# Altium PCB STeaMi-VerB1.PcbDoc (part 2 of 5)
Units mm, origin at the board's own origin, x right, y up, seen from the top; angles counter-clockwise.
Board outline 61.3 x 91.91 mm, 4 copper layers (Top Layer, Mid-Layer 1, Mid-Layer 2, Bottom Layer), stack 1.573 mm thick; 370 components, 209 nets, 1141 pads, 566 vias.
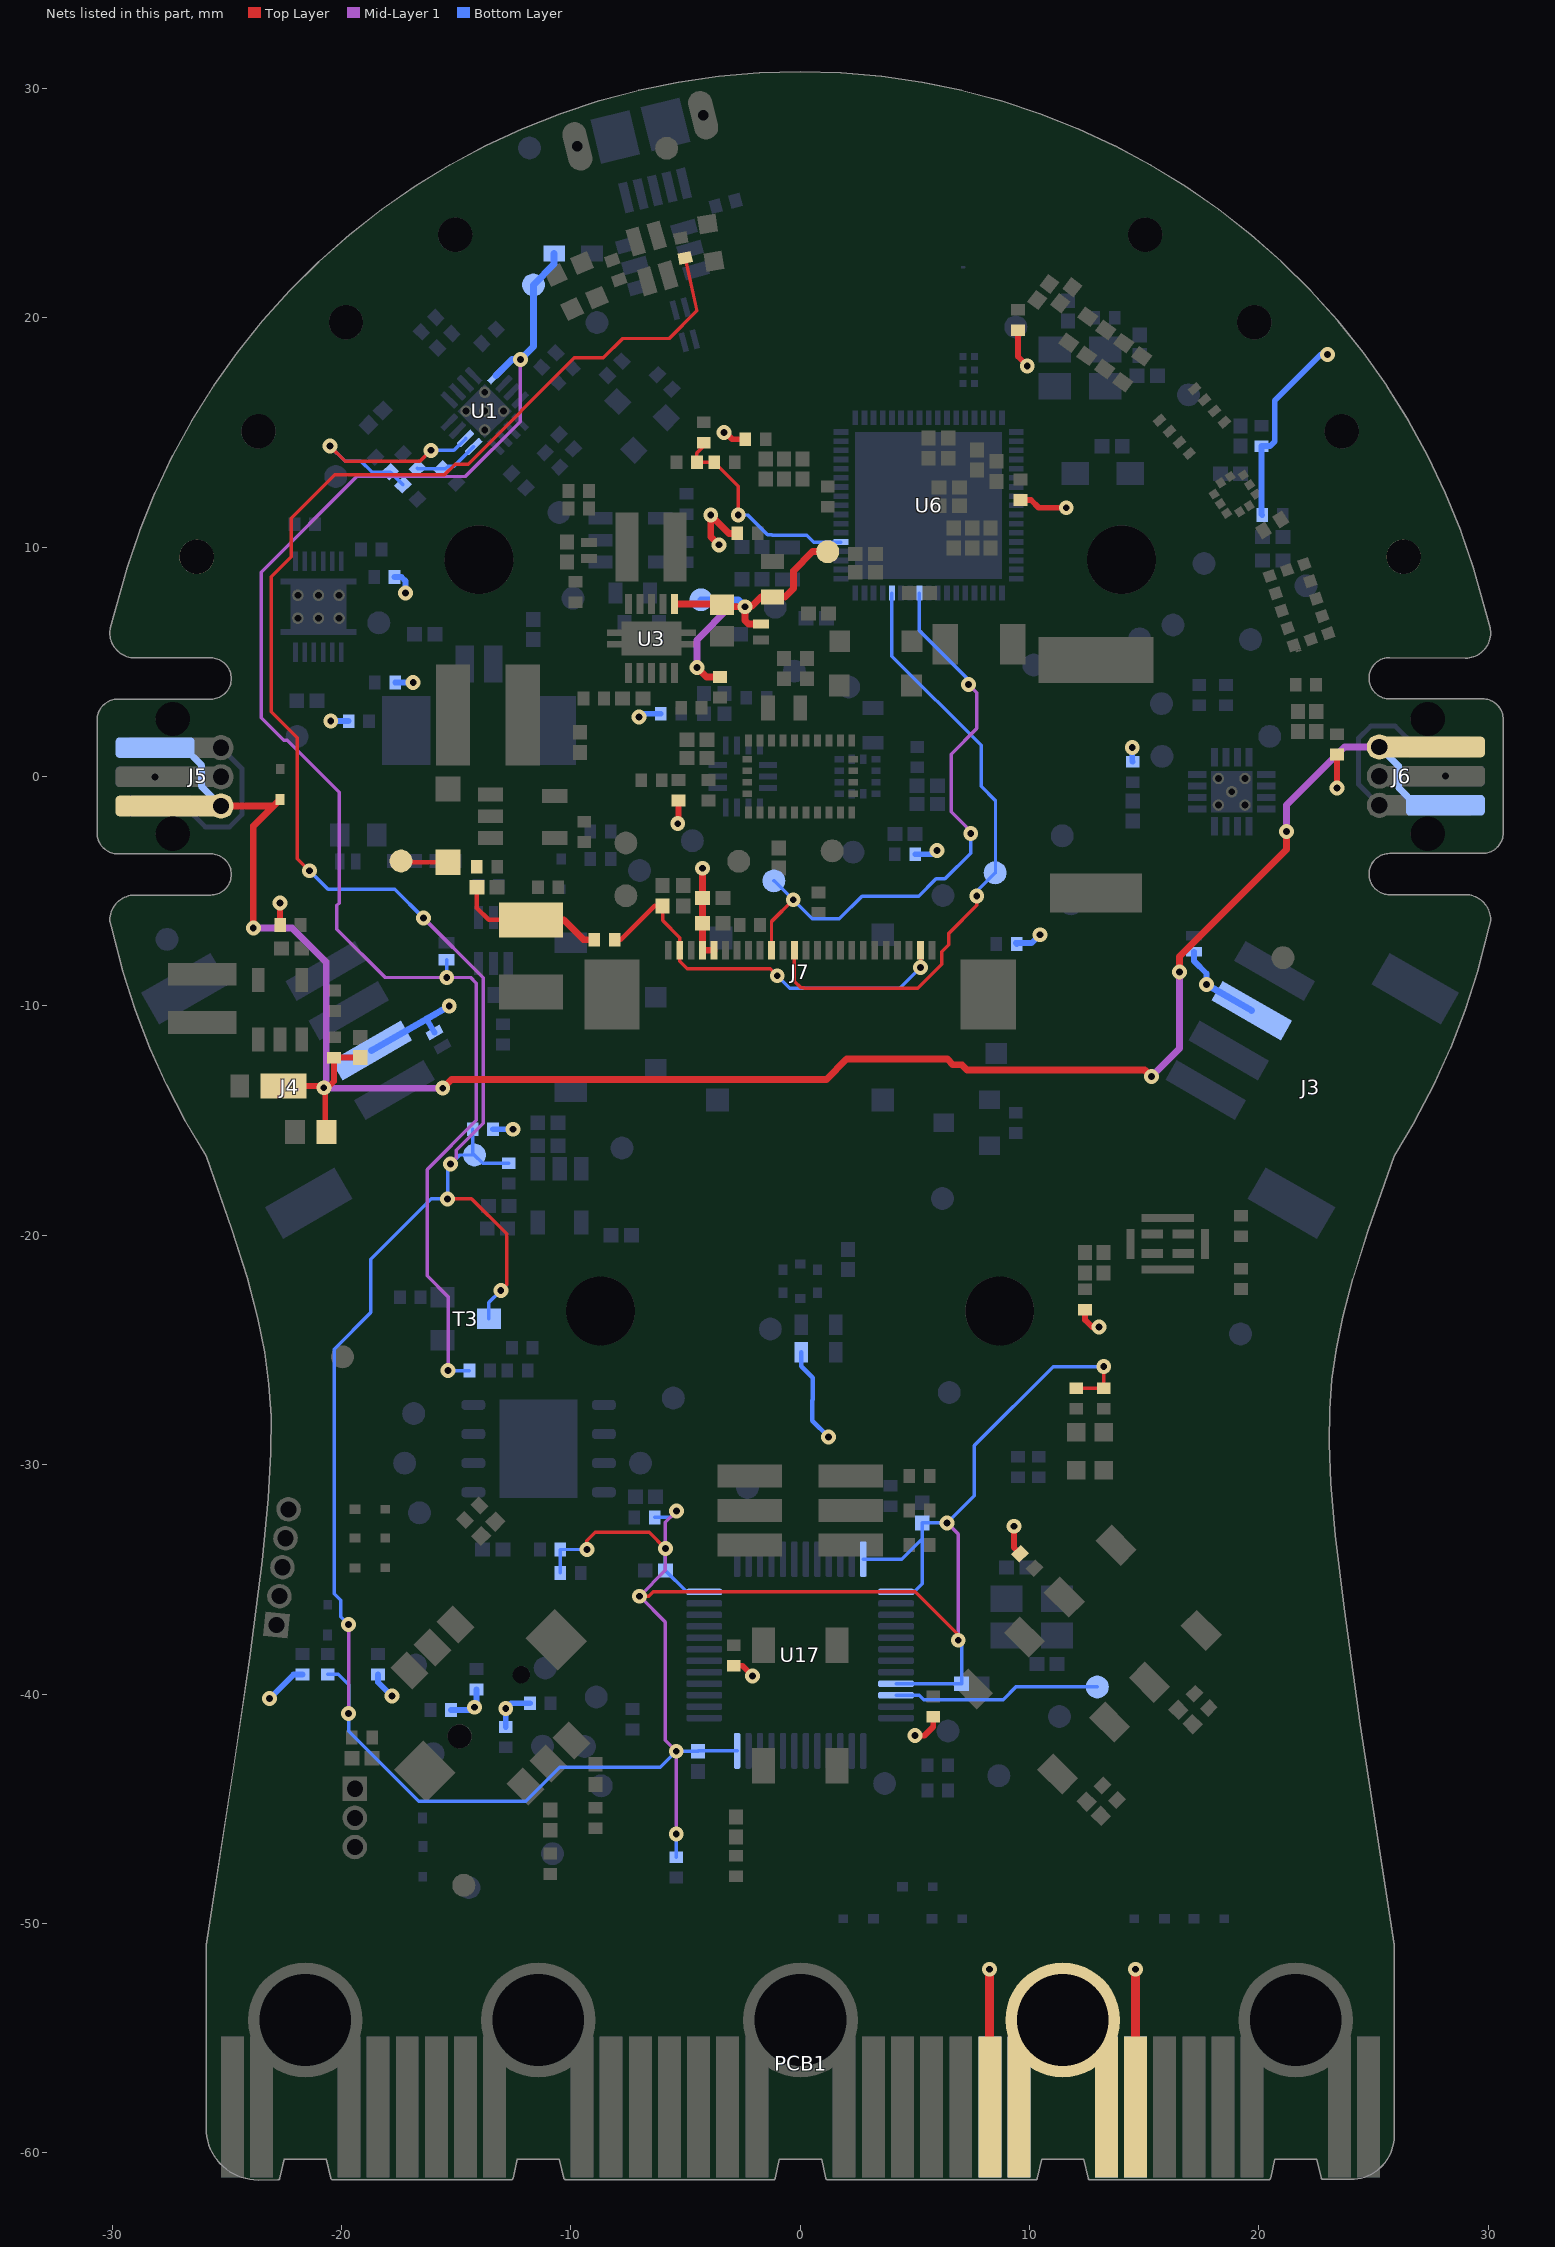
[diagram p4: the nets of this part, all layers, seen from the top]

## Footprints (in the part's own frame and the unit in brackets; to place one, negate y for a bottom-side part, rotate by r counter-clockwise, add the part's x,y. Pads: shape width x height; smd on the part's side, far side on the other; paste and mask are expansions set on the pad) (continued)
LGA-14-2.5X3MM [mm]
  rect 0.8x0.25 smd: 1(-1.35,0.75) 2(-1.35,0.25) 3(-1.35,-0.25) 4(-1.35,-0.75) 8(1.35,-0.75) 9(1.35,-0.25) 10(1.35,0.25) 11(1.35,0.75)
  rect 0.25x0.8 smd: 5(-0.5,-1.1) 6(0,-1.1) 7(0.5,-1.1) 12(0.5,1.1) 13(0,1.1) 14(-0.5,1.1)
  silkscreen extent -1.95,-1.25 1.5,1.45, body extent -1.5,-1.25 1.5,1.25, height 0.9
"LQM21 SERIES" [mm]
  rect 1.2x1 smd: 1(-1.2,0) 2(1.2,0)
  silkscreen extent 0,-0.62 0,0.63, body extent -1,-0.62 1,0.63, height 1.45
MICROBIT_EDGE [mm]
  rect 1x6.147 smd: 1_3V3(8.255,3.074) 1_GND(18.415,3.074) 3V3(9.525,3.074) 3V3(13.335,3.074) 6_3V3(14.605,3.074) 6_GND(24.765,3.074) GND(19.685,3.074) GND(23.495,3.074) P0(-23.495,3.074) P0(-19.685,3.074) P1(-13.335,3.074) P1(-9.525,3.074) P2(-1.905,3.074) P2(1.905,3.074) P3(-24.765,3.074) P4(-18.415,3.074) P5(-17.145,3.074) P6(-15.875,3.074) P7(-14.605,3.074) P8(-8.255,3.074) P9(-6.985,3.074) P10(-5.715,3.074) P11(-4.445,3.074) P12(-3.175,3.074) P13(3.175,3.074) P14(4.445,3.074) P15(5.715,3.074) P16(6.985,3.074) P19(15.875,3.074) P20(17.145,3.074)
  rect 1x6.147 smd far side: 1_3V3(8.255,3.074) 1_GND(18.415,3.074) 3V3(9.525,3.074) 3V3(13.335,3.074) 6_3V3(14.605,3.074) 6_GND(24.765,3.074) GND(19.685,3.074) GND(23.495,3.074) P0(-23.495,3.074) P0(-19.685,3.074) P1(-13.335,3.074) P1(-9.525,3.074) P2(-1.905,3.074) P2(1.905,3.074) P3(-24.765,3.074) P4(-18.415,3.074) P5(-17.145,3.074) P6(-15.875,3.074) P7(-14.605,3.074) P8(-8.255,3.074) P9(-6.985,3.074) P10(-5.715,3.074) P11(-4.445,3.074) P12(-3.175,3.074) P13(3.175,3.074) P14(4.445,3.074) P15(5.715,3.074) P16(6.985,3.074) P19(15.875,3.074) P20(17.145,3.074)
  round 5 hole 4: 3V3(11.43,6.86) GND(21.59,6.86) P0(-21.59,6.86) P1(-11.43,6.86) P2(0,6.86)
  Top Layer region: -23.495,0
  Top Layer region: 19.687,0 20.392,0 20.534,0.635 20.592,0.9 22.592,0.9 22.736,0.254 22.792,0 23.497,0 23.497,4.826 19.687,4.826
  Top Layer region: 9.525,-0.011 10.23,-0.011 10.371,0.624 10.43,0.889 12.43,0.889 12.574,0.243 12.63,-0.011 13.335,-0.011 13.335,4.815 9.525,4.815
  Top Layer region: -13.335,-0.011 -12.63,-0.011 -12.489,0.624 -12.43,0.889 -10.43,0.889 -10.286,0.243 -10.23,-0.011 -9.525,-0.011 -9.525,4.815 -13.335,4.815
  Top Layer region: -23.495,0 -22.79,0 -22.649,0.635 -22.59,0.9 -20.59,0.9 -20.446,0.254 -20.39,0 -19.685,0 -19.685,4.826 -23.495,4.826
  Top Layer region: -1.905,-0.011 -1.2,-0.011 -1.059,0.624 -1,0.889 1,0.889 1.144,0.243 1.2,-0.011 1.905,-0.011 1.905,4.815 -1.905,4.815
  Bottom Layer region: -23.495,0 -22.79,0 -22.649,0.635 -22.59,0.9 -20.59,0.9 -20.446,0.254 -20.39,0 -19.685,0 -19.685,4.826 -23.495,4.826
  Bottom Layer region: 19.685,0 20.39,0 20.531,0.635 20.59,0.9 22.59,0.9 22.734,0.254 22.79,0 23.495,0 23.495,4.826 19.685,4.826
  Bottom Layer region: 9.525,-0.011 10.23,-0.011 10.371,0.624 10.43,0.889 12.43,0.889 12.574,0.243 12.63,-0.011 13.335,-0.011 13.335,4.815 9.525,4.815
  Bottom Layer region: -13.335,-0.011 -12.63,-0.011 -12.489,0.624 -12.43,0.889 -10.43,0.889 -10.286,0.243 -10.23,-0.011 -9.525,-0.011 -9.525,4.815 -13.335,4.815
  Bottom Layer region: -1.905,-0.011 -1.2,-0.011 -1.059,0.624 -1,0.889 1,0.889 1.144,0.243 1.2,-0.011 1.905,-0.011 1.905,4.815 -1.905,4.815
  Keep-Out Layer lines w0.1: -25.8,2 -25.793,5.829 ; -20.59,0.9 -20.39,0 -12.628,0 ; -12.63,-0.011 -12.43,0.889 ; -12.43,0.9 -10.43,0.9 ; -10.43,0.889 -10.23,-0.011 ; -10.228,0 -1.198,-0.011 -1,0.889 1,0.889 1.202,-0.011 10.232,-0.011 10.43,0.889 12.43,0.889 12.632,-0.011 20.392,-0.011 ; 25.8,2 25.8,2.908
  Keep-Out Layer lines w0.2: -25.8,2 ccw(c-23.8,2) -23.8,0 -22.79,0 -22.59,0.9 -20.59,0.9 ; 20.392,-0.011 20.59,0.889 22.59,0.889 22.792,0 23.8,0 ccw(c23.8,2) 25.8,2
"mire optique-mini" [mm]
  Top Layer lines w0.15: 0.178,-0.559 0.178,0.559 ; 0.559,-0.178 -0.559,-0.178 ; -0.178,-0.559 -0.178,0.559 ; 0.559,0.178 -0.559,0.178
  Top Layer keep-out circle w0.01: c0,0 r1
MLPFWB5501E3 [mm]
  rect 0.3x0.3 smd: 1(-0.25,0.587) 2(-0.25,0) 3(-0.25,-0.587) 4(0.25,-0.587) 5(0.25,0) 6(0.25,0.587)
  silkscreen extent -0.85,0.55 -0.75,0.65, body extent -0.5,-0.8 0.5,0.8, height 0.45
PAD_SHORT_ALIGATOR [mm]
  round 1.5 hole 1.5 paste+0 mask+0: 1(0,0)
  Top Layer region: -2.575,0 -2.575,2.52 2.575,2.52 2.575,0 2.32,-1.117 1.605,-2.013 0.573,-2.51 -0.573,-2.51 -1.605,-2.013 -2.32,-1.117 -2.575,0
  Bottom Layer region: -2.575,0 -2.575,2.52 2.575,2.52 2.575,0 2.32,-1.117 1.605,-2.013 0.573,-2.51 -0.573,-2.51 -1.605,-2.013 -2.32,-1.117 -2.575,0
PCB_ANT [mm]
  oval 0.2x0.1 smd paste+0: 1(0,0)
  Top Layer region: 6.6,4.8 -2.3,4.8 -2.3,4 6.6,4 6.6,2.4 -2.3,2.4 -2.3,1.6 0.2,1.6 0.2,0.025 0.2,0 -0.2,0 -0.2,1.2 -2.7,1.2 -2.7,2.8 6.2,2.8 6.2,3.6 -2.7,3.6 -2.7,5.2 6.2,5.2 6.2,6 0,6 0,6.4 6.6,6.4
PTS636SM25FSMTRLFS [mm]
  rect 0.9x1.4 smd: 1(-3.25,0) 2(3.25,0)
  silkscreen extent -3.18,-1.89 3.18,1.85, body extent -3.35,-1.85 3.35,1.85, height 2.4
PTS647SM38SMTR2LFS [mm]
  rect 1.55x1 smd: 1(-2.625,1.6) 2(2.625,1.6) 3(-2.625,-1.6) 4(2.625,-1.6)
  silkscreen extent -2.25,-2.25 2.25,2.25, body extent -3.25,-2.25 3.25,2.25, height 3.8
QFN40P800X800X100-69N-D [mm]
  rect 0.65x0.25 smd: 1(-3.82,3.2) 2(-3.82,2.8) 3(-3.82,2.4) 4(-3.82,2) 5(-3.82,1.6) 6(-3.82,1.2) 7(-3.82,0.8) 8(-3.82,0.4) 9(-3.82,0) 10(-3.82,-0.4) 11(-3.82,-0.8) 12(-3.82,-1.2) 13(-3.82,-1.6) 14(-3.82,-2) 15(-3.82,-2.4) 16(-3.82,-2.8) 17(-3.82,-3.2) 35(3.82,-3.2) 36(3.82,-2.8) 37(3.82,-2.4) 38(3.82,-2) 39(3.82,-1.6) 40(3.82,-1.2) 41(3.82,-0.8) 42(3.82,-0.4) 43(3.82,0) 44(3.82,0.4) 45(3.82,0.8) 46(3.82,1.2) 47(3.82,1.6) 48(3.82,2) 49(3.82,2.4) 50(3.82,2.8) 51(3.82,3.2)
  rect 0.25x0.65 smd: 18(-3.2,-3.82) 19(-2.8,-3.82) 20(-2.4,-3.82) 21(-2,-3.82) 22(-1.6,-3.82) 23(-1.2,-3.82) 24(-0.8,-3.82) 25(-0.4,-3.82) 26(0,-3.82) 27(0.4,-3.82) 28(0.8,-3.82) 29(1.2,-3.82) 30(1.6,-3.82) 31(2,-3.82) 32(2.4,-3.82) 33(2.8,-3.82) 34(3.2,-3.82) 52(3.2,3.82) 53(2.8,3.82) 54(2.4,3.82) 55(2,3.82) 56(1.6,3.82) 57(1.2,3.82) 58(0.8,3.82) 59(0.4,3.82) 60(0,3.82) 61(-0.4,3.82) 62(-0.8,3.82) 63(-1.2,3.82) 64(-1.6,3.82) 65(-2,3.82) 66(-2.4,3.82) 67(-2.8,3.82) 68(-3.2,3.82)
  rect 6.4x6.4 smd: 69(0,0)
  silkscreen extent -4.5,3.7 -4.3,3.9, body extent -4.05,-4.05 4.05,4.05, height 1
QFN50P300X300X100-17N [mm]
  rrect25% 0.86x0.26 smd: 1(-1.435,0.75) 2(-1.435,0.25) 3(-1.435,-0.25) 4(-1.435,-0.75) 9(1.435,-0.75) 10(1.435,-0.25) 11(1.435,0.25) 12(1.435,0.75)
  rrect25% 0.26x0.86 smd: 5(-0.75,-1.435) 6(-0.25,-1.435) 7(0.25,-1.435) 8(0.75,-1.435) 13(0.75,1.435) 14(0.25,1.435) 15(-0.25,1.435) 16(-0.75,1.435)
  round 0.5 hole 0.3 mask+0: 17(-0.58,-0.58) 17(-0.58,0.58) 17(0,0) 17(0.58,-0.58) 17(0.58,0.58)
  rect 1.68x1.68 smd paste-2: 17(0,0)
  silkscreen extent -2,-1.5 1.5,1.5, body extent -1.5,-1.5 1.5,1.5, height 1
QFN50P300X300X100-17N-D [mm]
  rect 0.8x0.3 smd: 1(-1.5,0.75) 2(-1.5,0.25) 3(-1.5,-0.25) 4(-1.5,-0.75) 9(1.5,-0.75) 10(1.5,-0.25) 11(1.5,0.25) 12(1.5,0.75)
  rect 0.3x0.8 smd: 5(-0.75,-1.5) 6(-0.25,-1.5) 7(0.25,-1.5) 8(0.75,-1.5) 13(0.75,1.5) 14(0.25,1.5) 15(-0.25,1.5) 16(-0.75,1.5)
  round 0.5 hole 0.3: 17(-0.58,-0.58) 17(-0.58,0.58) 17(0,0) 17(0.58,-0.58) 17(0.58,0.58)
  rect 1.8x1.8 smd: 17(0,0)
  silkscreen extent -2.02,1.38 -1.77,1.62, body extent -1.55,-1.55 1.55,1.55, height 1
QFP50P900X900X160-48N [mm]
  rrect50% 1.56x0.28 smd: 1(-4.18,2.75) 2(-4.18,2.25) 3(-4.18,1.75) 4(-4.18,1.25) 5(-4.18,0.75) 6(-4.18,0.25) 7(-4.18,-0.25) 8(-4.18,-0.75) 9(-4.18,-1.25) 10(-4.18,-1.75) 11(-4.18,-2.25) 12(-4.18,-2.75) 25(4.18,-2.75) 26(4.18,-2.25) 27(4.18,-1.75) 28(4.18,-1.25) 29(4.18,-0.75) 30(4.18,-0.25) 31(4.18,0.25) 32(4.18,0.75) 33(4.18,1.25) 34(4.18,1.75) 35(4.18,2.25) 36(4.18,2.75)
  rrect50% 0.28x1.56 smd: 13(-2.75,-4.18) 14(-2.25,-4.18) 15(-1.75,-4.18) 16(-1.25,-4.18) 17(-0.75,-4.18) 18(-0.25,-4.18) 19(0.25,-4.18) 20(0.75,-4.18) 21(1.25,-4.18) 22(1.75,-4.18) 23(2.25,-4.18) 24(2.75,-4.18) 37(2.75,4.18) 38(2.25,4.18) 39(1.75,4.18) 40(1.25,4.18) 41(0.75,4.18) 42(0.25,4.18) 43(-0.25,4.18) 44(-0.75,4.18) 45(-1.25,4.18) 46(-1.75,4.18) 47(-2.25,4.18) 48(-2.75,4.18)
  silkscreen extent -5.56,-3.6 3.6,3.6, body extent -4.5,-4.5 4.5,4.5, height 1.57
RESC1005X40N_0402 [mm]
  rect 0.51x0.6 smd: 1(-0.445,0) 2(0.445,0)
  body extent -0.57,-0.27 0.58,0.28, height 0.41
RESC1608X45N_0603 [mm]
  rect 0.6x0.9 smd: 1(-0.756,0) 2(0.756,0)
  silkscreen extent -0.25,-0.51 0.26,0.51, body extent -0.79,-0.41 0.81,0.41, height 0.44
RESC3216X88N_1206 [mil]
  rect 44x69 smd: 1(-58,0) 2(58,0)
  silkscreen extent -23,-34 23,34, body extent -63,-31 63,32, height 24
SKRHABE010 [mm]
  rect 1.35x1 smd: 1(-3.575,1.425) 2(-3.575,0) 3(-3.575,-1.425) 4(3.575,1.425) 5(3.575,0) 6(3.575,-1.425)
  rect 2x1.8 smd: FIX(0,4.05) FIX(0,-4.05)
  round 0.75 hole 0.75 unplated: GB1(0,1.9)
  round 1.05 hole 1.05 unplated: GB2(0,-1.9)
  silkscreen extent -5.18,-3.75 3.75,3.75, body extent -3.74,-3.75 3.74,3.75, height 5
SOD2314X75N-SOD323HE [mm]
  rect 0.8x1 smd: A(1.25,0)
  rect 2x1.1 smd: K(-0.65,0)
  silkscreen extent -2.02,0 -1.96,0.05
SOD3615X145N_SOD123 [mm]
  rect 0.9x0.95 smd: A(1.575,0) K(-1.575,0)
  silkscreen extent -1.57,-0.85 1.57,0.85, body extent -1.82,-0.77 1.83,0.78, height 1.5
SODFL1608X70N [mm]
  rect 0.417x0.375 smd: A(0.66,0)
  rect 0.48x0.4 smd: K(-0.66,0)
  silkscreen extent -0.53,-0.51 0.76,0.51, body extent -0.8,-0.4 0.8,0.4, height 0.7
SODFL3516X120N [mm]
  rect 1.1x1.1 smd: A(1.6,0) K(-1.6,0)
  silkscreen extent -2.01,-0.8 1.3,0.8, body extent -1.75,-0.8 1.75,0.8, height 1.2
SON127P600X500X80-9N [mm]
  rrect70% 1.04x0.44 smd: 1(-2.845,1.905) 2(-2.845,0.635) 3(-2.845,-0.635) 4(-2.845,-1.905) 5(2.845,-1.905) 6(2.845,-0.635) 7(2.845,0.635) 8(2.845,1.905)
  rect 3.4x4.3 smd paste-3: 9(0,0)
  silkscreen extent -3.66,-2.5 3,2.64, body extent -2.98,-2.5 3.02,2.5, height 0.75
SOT23-B-C-E [mil]
  rect 35x41 smd: B(-37,-40) C(-0.01,40) E(37,-40)
  silkscreen extent -63,-10 62,40, body extent -59,-59 59,59, height 51
SOT65P210X110-6N [mm]
  rect 1x0.4 smd: 1(-1,0.65) 2(-1,0) 3(-1,-0.65) 4(1,-0.65) 5(1,0) 6(1,0.65)
  silkscreen extent -1.5,-1 0.15,1.2, body extent -1.05,-1 1.05,1, height 1.1
SOT95P260X110-3N_SOT-23-3 [mm] "SOT-23, 3-Leads, Body 2.9x1.3mm, Pitch 2mm"
  rect 0.8x0.9 smd: 1(-1.004,-1) 2(0.996,-1) 3(-0.004,1)
  silkscreen extent -1.46,-0.63 1.46,0.64, body extent -1.46,-1.24 1.46,1.24, height 0.98
SOT95P270X145-5N [mm] "Empreinte MCP73831 SOT23-5"
  rect 1.1x0.6 smd: 1(-1.4,0.95) 2(-1.4,0) 3(-1.4,-0.95) 4(1.4,-0.95) 5(1.4,0.889)
  silkscreen extent -1.59,-1.45 0.25,1.59, body extent -1.35,-1.45 1.35,1.45, height 1.45
"SOT95P280X100-5N SOT23-5" [mm]
  rect 1.05x0.55 smd: 1(-1.3,0.95) 2(-1.3,0) 3(-1.3,-0.95) 4(1.3,-0.95) 5(1.3,0.95)
  silkscreen extent -0.43,-1.45 0.43,1.45, body extent -1.4,-1.45 1.4,1.45, height 1
SOT95P280X100-5N_SOT-23 [mm]
  rect 0.635x1.041 smd: 1(-0.95,-1.17) 2(0,-1.17) 3(0.95,-1.17) 4(0.95,1.17) 5(-0.95,1.17)
  silkscreen extent -1.54,-0.9 1.54,0.9, body extent -1.5,-1.25 1.5,1.25, height 1.11
"TESTPOINT 1MM" [mm]
  round 1 smd: 1(0,0)
"Testpoint 1mm" [mm]
  round 1 smd: 1(0,0)
USB3080-30-00-A [mm]
  rect 0.4x1.35 smd: 1(-1.3,2.68) 2(-0.65,2.68) 3(0,2.68) 4(0.65,2.68) 5(1.3,2.68)
  rect 0.1x0.1 smd paste-1 mask+0: 6(-3,0.85) 7(3,0.85)
  oval 1.05x2.15 hole 0.46 slot 1.55 at 90 deg: 6(-2.825,0) 7(2.825,0)
  rect 1.75x2 smd: 8(-1.125,0) 9(1.125,0)
  silkscreen extent -3.7,-1.2 3.7,3.85, body extent -3.9,-2.75 3.9,2.75, height 2.69
VL53L1X [mm]
  rect 0.25x0.08 smd: 1(0.675,1.89)
  rect 0.5x0.5 smd: 1(0.8,1.6) 2(0.8,0.8) 3(0.8,0) 4(0.8,-0.8) 5(0.8,-1.6) 6(0,-1.6) 7(-0.8,-1.6) 8(-0.8,-0.8) 9(-0.8,0) 10(-0.8,0.8) 11(-0.8,1.6) 12(0,1.6)
  silkscreen extent -1.38,-2.4 1.81,2.72, body extent -1.25,-2.45 1.25,2.45, height 1.7
VLS3012 [mm]
  rect 1x3 smd: 1(-1.05,0) 2(1.05,0)
  silkscreen extent -0.25,-1.5 0.25,1.5, body extent -1.5,-1.51 1.5,1.51, height 1.19
VSON-10 [mm]
  rect 0.3x0.875 smd: 1(-1,-1.512) 2(-0.5,-1.512) 3(0,-1.512) 4(0.5,-1.513) 5(1,-1.512) 6(1,1.512) 7(0.5,1.512) 8(0,1.512) 9(-0.5,1.512) 10(-1,1.512)
  rect 0.875x0.3 smd: 11(-1.513,-0.25) 11(-1.512,0.25) 11(1.512,-0.25) 11(1.513,0.25)
  rect 2.6x1.5 smd paste-0.2: 11(0,0)
  silkscreen extent -2.26,-2.67 1.6,1.55, body extent -1.58,-1.58 1.58,1.58, height 1
WE-CNSW_06038 [mm]
  rect 0.25x0.85 smd: 1(-0.25,-0.725) 2(-0.25,0.725) 3(0.25,0.725) 4(0.25,-0.725)
  silkscreen extent -0.42,-1.15 0.85,0, body extent -0.42,-0.8 0.43,0.8, height 1.1
WE-LQS_4025 [mm] "SMD Power Inductor, 2-Leads, body 4x4mm"
  rect 1.5x4.4 smd: 1(-1.525,0) 2(1.525,0)
  silkscreen extent -0.45,-2.1 0.45,2.1, body extent -2,-2 2,2, height 2.15
WE-TVS_SOT23-6L [mm]
  rect 0.6x1.1 smd: 1(-0.95,-1.25) 2(0,-1.25) 3(0.95,-1.25) 4(0.95,1.25) 5(0,1.25) 6(-0.95,1.25)
  silkscreen extent -1.51,-1.87 -1.47,-1.83, body extent -1.45,-1.4 1.45,1.4, height 1.14
WE_XTAL_CFPX_180 [mm] "Quartz Crystal, size CFPX-180, body 3.4x2.7mm"
  rect 1.4x1.15 smd: 1(-1.1,-0.8) 2(1.1,-0.8) 3(1.1,0.8) 4(-1.1,0.8)
  silkscreen extent -1.73,-2.01 -1.53,-1.81, body extent -1.7,-1.35 1.7,1.35, height 0.65
WE_XTAL_IQXC-25 [mm] "Quartz Crystal, size IQXC-25, body 2x1mm"
  rect 0.6x1.1 smd: 1(-0.7,0) 2(0.7,0)
  body extent -1,-0.6 1,0.6, height 0.55
XDCR_SMT-0825-S-HT-R [mm]
  rect 1x1 smd paste-1 mask+0: FIX(3.45,3.45) FIX(3.6,-3.6) N(-3.6,-3.6) P(-3.6,3.6)
  Top Layer region: -2.009,-3.798 -2.912,-4.75 -4.75,-4.75 -4.75,-2.912 -3.848,-1.959
  Top Layer region: 5,3.212 3.848,1.959 2.009,3.798 3.162,5.05
  Top Layer region: 4.75,-2.912 4.75,-4.75 2.912,-4.75 2.009,-3.798 3.848,-1.959
  Top Layer region: -2.009,3.798 -3.848,1.959 -4.75,2.912 -4.75,4.75 -2.912,4.75
  silkscreen extent -6.75,-4.25 5.21,4.25, body extent -4.26,-4.25 4.26,4.25, height 3.03

## Part data
ANT1: library part PCB_ANT, "PCB ANTENAL", Manufacturer=N/A, Created by=EAG, Creation Date=13/10/2021, Manufacturer Part Number=N/A, Part Number=PCB_ANT, Populated=True, Switch possibility=Non, Vérification=Non
C1 C2 C10 C12 C31 C46 C47 C62 C63 C68 C77 C80: library part 1µF-10%-6,3V-X5R-0402, "CAP CER 1µF 6,3V X5R 0402", Capacitance=1µF, Dielectric=X5R, Manufacturer="Taiyo Yuden", Manufacturer Part Number=JMK105BJ105KV-F, std Package=0402, Tolerence=0,1, Voltage=6,3V, Created by=EAG, Creation Date=08/04/2021, Mouser=963-JMK105BJ105KV-F, Part Number=1µF-10%-6,3V-X5R-0402, Populated=True, Switch possibility=True, Vérification=Non
C3: library part 47µF-20%-4V-X5R-0603, "CAP CER 47µF 4V X5R 0603", Capacitance=47µF, Dielectric=X5R, Manufacturer="Taiyo Yuden", Manufacturer Part Number=AMK107BBJ476MA-RE, std Package=0603, Tolerence=0,2, Voltage=4V, Created by=EAG, Creation Date=02/12/2021, Manufacturer 1="Taiyo Yuden", Manufacturer Part Number 1=AMK107BBJ476MA-RE, Mouser=963-AMK107BBJ476MARE, Part Number=47µF-20%-4V-X5R-0603, Populated=True, Switch possibility=True, Vérification=Non
C4 C8 C52 C64 C83 C84: library part 10µF-20%-6,3V-X5R-0402, "CAP CER 10µF 6,3V X5R 0402", Capacitance=10µF, Dielectric=X5R, Manufacturer=Murata, Manufacturer Part Number=GRM155R60J106ME15D, std Package=0402, Tolerence=0,2, Voltage=6,3V, Created by=EAG, Creation Date=01/04/2021, Digikey=490-13238-1-ND, Farnell=-, Mouser=81-GRM155R60J106ME5D, Part Number=10µF-20%-6,3V-X5R-0402, Populated=True, RS=-, Switch possibility=True, Vérification=Non
C5 C9 C11 C14 C16 C18 C19 C20 C21 C22 C23 C24 C30 C33 C35 C36 C37 C38 C39 C40 C41 C43 C48 C49 C50 C51 C54 C56 C59 C60 C66 C67 C69 C70 C71 C72 C75 C78 C79 C81 C82: library part 100nF-10%-6,3V-X5R-0402, "CAP CER 100nF 6,3V X5R 0402", Capacitance=100nF, Dielectric=X5R, Manufacturer="Kyocera AVX", Manufacturer Part Number=0402YD104KAT2A, std Package=0402, Tolerence=0,1, Voltage=6,3V, Created by=EAG, Creation Date=18/10/2021, Digikey=478-1126-1-ND, Mouser=581-0402YD104K, Part Number=100nF-10%-6,3V-X5R-0402, Populated=True, Switch possibility=True, Vérification=Non
C6: library part 470pF-10%-25V-X7R-0402, "CAP CER 470pF 25V X7R 0402", Capacitance=470pF, Manufacturer=Yageo, Manufacturer Part Number=AC0402KRX7R8BB471, Voltage=25V, Created by=EAG, Creation Date=22/11/2021, Part Number=470pF-10%-25V-X7R-0402, Populated=True
C7: library part 15µF-20%-25V-TANT-1210, "CAP CER 15µF 25V TANT 1210", Capacitance=15µF, Dielectric=TANT, Manufacturer=Panasonic, Manufacturer Part Number=25TQC15MYFB, std Package=1210, Tolerence=0,2, Voltage=25V, Created by=EAG, Creation Date=23/08/2021, Mouser=667-25TQC15MYFB, Part Number=15µF-20%-25V-TANT-1210, Populated=True, Switch possibility=True, Vérification=Non
C13: library part 10nF-10%-10V-X7R-0402, "CAP CER 10nF 10V X7R 0402", Capacitance=10nF, Dielectric=X7R, Manufacturer=AVX, Manufacturer Part Number=0402ZC103KAT2A, std Package=0402, Tolerence=0,1, Voltage=10V, Created by=EAG, Creation Date=01/04/2021, Mouser=581-0402ZC103KAT2A, Part Number=10nF-10%-10V-X7R-0402, Populated=True, Switch possibility=True, Vérification=Non
C15: library part 100pF-10%-10V-X7R-0402, "CAP CER 100pF 10V X7R 0402", Capacitance=100pF, Dielectric=X7R, Manufacturer="WURTH Electronics", Manufacturer Part Number=885012205001, std Package=0402, Tolerence=0,1, Voltage=10V, Created by=EAG, Creation Date=22/11/2021, Digikey=732-7496-1-ND, Farnell=2812288, Mouser=710-885012205001, Part Number=100pF-10%-10V-X7R-0402, Populated=True, Switch possibility=True, Vérification=Non
C17: library part 200mF-20%-3,3V-Supercap-6,8X11,7x1,8, "CAP CER 200mF 3,3V Supercap 6,8X11,7x1,8", Capacitance=200mF, Dielectric=Supercap, Manufacturer="Elna America", Manufacturer Part Number=DSK-3R3H204T614-H2L, std Package=6,8X11,7x1,8, Tolerence=0,2, Voltage=3,3V, Created by=EAG, Creation Date=27/10/2021, Digikey=604-1147-1-ND, Mouser=555-DSK3R3H204T614H2, Part Number=200mF-20%-3,3V-Supercap-6,8X11,7x1,8, Populated=True, Switch possibility=False, Vérification=Non
C25: library part 4,7µF-20%-6,3V-X5R-0402, "CAP CER 4,7µF 6,3V X5R 0402", Capacitance=4,7µF, Dielectric=X5R, Manufacturer=Murata, Manufacturer Part Number=GRM155R60J475ME8D, std Package=0402, Tolerence=0,2, Voltage=6,3V, Created by=EAG, Creation Date=01/04/2021, Digikey=490-5408-6-ND, Mouser=81-GRM155R60J475ME8D, Part Number=4,7µF-20%-6,3V-X5R-0402, Populated=True, Switch possibility=True, Vérification=Non
C26 C27 C28 C29 C61 C65: library part 15pF-5%-10V-C0G-0402, "CAP CER 15pF 10V C0G 0402", Capacitance=15pF, Dielectric=C0G, Manufacturer=KEMET, Manufacturer Part Number=C0402C150J8HACTU, std Package=0402, Tolerence=0,05, Voltage=10V, Created by=EAG, Creation Date=29/11/2021, Farnell=3784148, Mouser=80-C0402C150J8HACTU, Part Number=15pF-5%-10V-C0G-0402, Populated=True, Switch possibility=True, Vérification=Non
C32 C34 C57: library part 4,7µF-20%-6,3V-X5R-0402, "CAP CER 4,7µF 6,3V X5R 0402", Capacitance=4,7µF, Dielectric=X5R, std Package=0402, Tolerence=0,2, Voltage=6,3V, Created by=EAG, Creation Date=01/04/2021, Digikey=490-5408-6-ND, Mouser=81-GRM155R60J475ME8D, Part Number=4,7µF-20%-6,3V-X5R-0402, Populated=True, Switch possibility=True, Vérification=Non
C42: library part 33pF-5%-16V-COG-0402, "CAP CER 33pF 16V COG 0402", Capacitance=33pF, Dielectric=COG, Manufacturer="WURTH Electronics", Manufacturer Part Number=885012005028, std Package=0402, Tolerence=0,05, Voltage=16V, Created by=EAG, Creation Date=02/12/2021, Digikey=732-7444-1-ND, Mouser=710-885012005028, Part Number=33pF-5%-16V-COG-0402, Populated=True, Switch possibility=True, Vérification=Non
C44 C45: library part 4,7µF-20%-16V-X5R-0402, "CAP CER 4,7µF 16V X5R 0402", Capacitance=4,7µF, Dielectric=X5R, Manufacturer="Kyocera AVX", Manufacturer Part Number=0402YD475MAT2A, std Package=0402, Tolerence=0,2, Voltage=16V, Created by=EAG, Creation Date=29/11/2021, Digikey=478-10788-1-ND, Mouser=581-0402YD475MAT2A, Part Number=4,7µF-20%-16V-X5R-0402, Populated=True, Switch possibility=True, Vérification=Non
C53: library part 220nF-10%-6,3V-X7R-0603, "CAP CER 220nF 6,3V X7R 0603", Capacitance=220nF, Dielectric=X7R, Manufacturer 1=KEMET, Manufacturer Part Number 1=C0603C224K9RACTU, std Package=0603, Tolerence=0,1, Voltage=6,3V, Created by=EAG, Creation Date=28/09/2021, Digikey=399-9046-1-ND, Manufacturer="#Circular Reference?", Manufacturer Part Number="#Circular Reference?", Mouser=80-C0603C224K9R, Part Number=220nF-10%-6,3V-X7R-0603, Populated=True, Switch possibility=True, Vérification=Non
C55: library part 4,7µF-20%-6,3V-X5R-0402, "CAP CER 4,7µF 6,3V X5R 0402", Capacitance=4,7µF, Voltage=6,3V, Created by=EAG, Creation Date=01/04/2021, Part Number=4,7µF-20%-6,3V-X5R-0402, Populated=True
C58: library part 100nF-10%-6,3V-X5R-0402, "CAP CER 100nF 6,3V X5R 0402", Capacitance=Value, Voltage=Voltage, Manufacturer="#Circular Reference?", Manufacturer Part Number="#Circular Reference?", Part Number=100nF-10%-6,3V-X5R-0402, Populated=True
C73: library part 22pF-5%-16V-COG-0402, "CAP CER 22pF 16V COG 0402", Capacitance=22pF, Dielectric=COG, Manufacturer 1=KEMET, Manufacturer Part Number 1=C0402C220J4GACAUTO, std Package=0402, Tolerence=0,05, Voltage=16V, Created by=EAG, Creation Date=25/09/2019, Digikey=-, Farnell=-, Mouser=80-C0402C220J4GAUTO, Part Number=22pF-5%-16V-COG-0402, Populated=True, RS=-, Switch possibility=True, Vérification=Non
C74: library part 22pF-5%-16V-COG-0402, "CAP CER 22pF 16V COG 0402", Capacitance=22pF, Dielectric=COG, Manufacturer=Murata, Manufacturer 1=KEMET, Manufacturer Part Number=GJM0225C1C220JB01L, Manufacturer Part Number 1=C0402C220J4GACAUTO, std Package=0402, Tolerence=0,05, Voltage=16V, Created by=EAG, Creation Date=25/09/2019, Digikey=-, Farnell=-, Mouser=80-C0402C220J4GAUTO, Part Number=22pF-5%-16V-COG-0402, Populated=True, RS=-, Switch possibility=True, Vérification=Non
C85: library part 10pF-5%-10V-COG-0402, "CAP CER 10pF 10V COG 0402 5%", Capacitance=10pF, Dielectric=COG, Manufacturer="WURTH Electronics", Manufacturer Part Number=885012005007, std Package=0402, Tolerence=0,05, Voltage=10V, Created by=EAG, Creation Date=01/02/2022, Farnell=2533781, Manufacturer 1="WURTH Electronics", Manufacturer Part Number 1=885012005007, Mouser=710-885012005007, Part Number=10pF-5%-10V-COG-0402, Populated=True, Switch possibility=True, Vérification=Non
C86: library part 4,7µF-20%-6,3V-X5R-0402, "CAP CER 4,7µF 6,3V X5R 0402", Capacitance=4,7µF, Dielectric=X5R, Manufacturer 1=Murata, Manufacturer 2="Samsung Electro-Mechanics", Manufacturer Part Number 1=GRM155R60J475ME87D, Manufacturer Part Number 2=CL05A475MQ5NRNC, std Package=0402, Tolerence=0,2, Voltage=6,3V, Created by=EAG, Creation Date=01/04/2021, Digikey=490-5408-6-ND, Manufacturer="#Circular Reference?", Manufacturer Part Number="#Circular Reference?", Mouser=81-GRM155R60J475ME8D, Part Number=4,7µF-20%-6,3V-X5R-0402, Populated=True, Switch possibility=True, Vérification=Non
C87: library part 47µF-20%-4V-X5R-0603, "CAP CER 47µF 4V X5R 0603", Capacitance=47µF, Dielectric=X5R, Manufacturer 1="Taiyo Yuden", Manufacturer Part Number 1=AMK107BBJ476MA-RE, std Package=0603, Tolerence=0,2, Voltage=4V, Created by=EAG, Creation Date=02/12/2021, Manufacturer="#Circular Reference?", Manufacturer Part Number="#Circular Reference?", Mouser=963-AMK107BBJ476MARE, Part Number=47µF-20%-4V-X5R-0603, Populated=True, Switch possibility=True, Vérification=Non